# Allegro board 8880F5-0823_9.brd (continued)
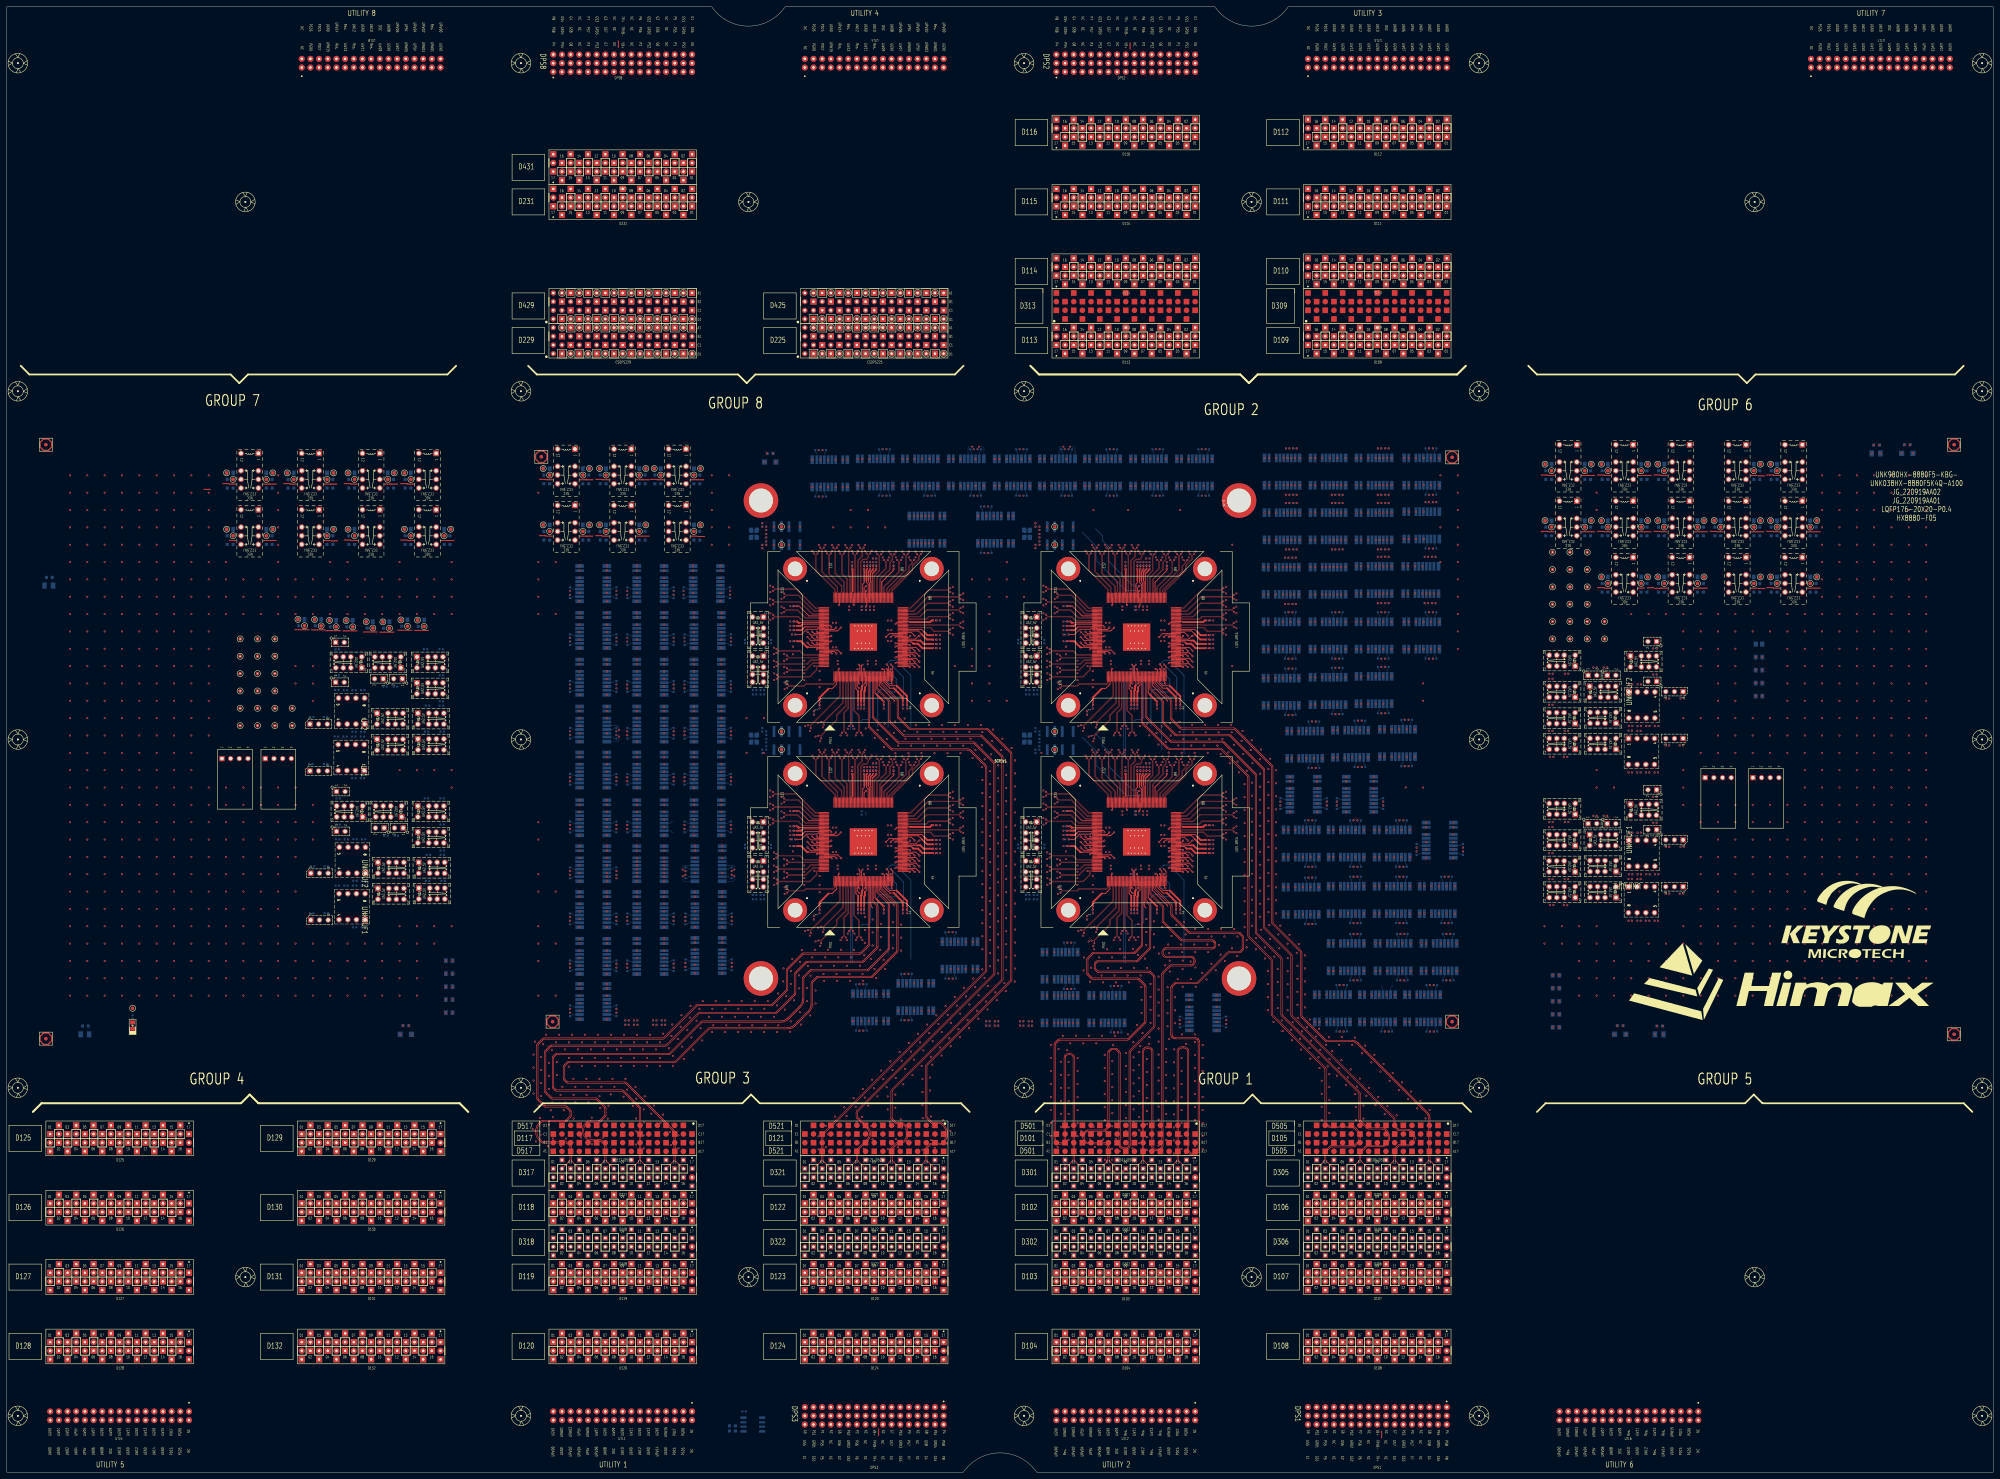
[diagram p0: board, top side]
## Routing (per net, layer and track width the routed paths; a pad name or vN(x,y) marks a point on that pad's centre or on a via; arc(x,y) is an arc through that point) (continued)
D12805: length 782
  TOP w0.086: v1(261.86,267.21) 261.41,266.77 261.41,263.74 256.95,259.28 256.95,257.86 257.03,257.78 SITE1.95
  L05_SIGNAL w0.071: D128.05 23.71,34.71 24.68,34.71 25.41,33.99 25.41,32.33 23.01,29.93 8.07,29.93 5.98,32.03 5.98,104.95 13.85,112.82 13.85,279.31 58.45,323.91 318.55,323.91 336.91,305.55 336.91,300.13 v2(336.44,299.66)
  L32_SIGNAL w0.071: v2(336.44,299.66) 336.91,300.13 336.91,301.49 337.73,302.3 339.51,302.3 340.57,301.24 340.57,286.3 335.09,280.82 322.51,280.82 312,291.33 299.75,291.33 298.72,290.3 298.72,282.26 293.79,277.34 282.52,277.34 274.76,285.09 264.91,285.09 261.38,281.57 261.38,267.69 v1(261.86,267.21)
D12806: length 833.7
  TOP w0.086: v1(241.28,269.15) 240.83,268.7 240.83,263.34 244.55,259.62 244.55,257.86 244.63,257.78 SITE1.126
  L07_SIGNAL w0.071: v2(256.43,299.66) 256.9,299.18 256.9,298 252.48,293.58 131.38,293.58 127.48,289.68 68.21,289.68 40,261.47 40,129.09 62.09,106.99 62.09,56.11 51.35,45.37 30.67,45.37 28.34,43.04 28.34,40.61 27.1,39.38 26.68,39.38 D128.06
  L30_SIGNAL w0.071: v2(256.43,299.66) 256.9,300.12 256.9,300.88 243.25,314.53 154.52,314.53 152.22,312.24 117.51,312.24 111.21,305.93 111.21,274.68 116.19,269.7 221.33,269.7 225.44,273.81 239.34,273.81 240.81,272.33 240.81,269.62 v1(241.28,269.15)
D12807: length 782
  TOP w0.086: v1(260.71,267.21) 261.17,266.75 261.17,263.84 256.71,259.38 256.71,257.86 256.63,257.78 SITE1.96
  L05_SIGNAL w0.071: v2(337.59,299.66) 337.11,300.13 337.11,305.63 318.63,324.11 58.36,324.11 13.65,279.4 13.65,112.9 5.78,105.03 5.78,31.95 7.99,29.74 23.09,29.74 25.6,32.25 25.6,33.22 D128.07
  L32_SIGNAL w0.071: v2(337.59,299.66) 337.11,300.13 337.11,301.41 337.81,302.11 339.43,302.11 340.37,301.16 340.37,286.39 335.01,281.02 322.6,281.02 312.09,291.53 299.67,291.53 298.52,290.38 298.52,282.35 293.71,277.54 282.6,277.54 274.84,285.29 264.83,285.29 261.19,281.65 261.19,267.69 v1(260.71,267.21)
D12808: length 833.7
  TOP w0.086: SITE1.127 244.23,257.78 244.31,257.86 244.31,259.52 240.59,263.24 240.59,268.7 v1(240.14,269.15)
  L07_SIGNAL w0.071: D128.08 28.53,40.05 28.53,42.95 30.75,45.17 51.43,45.17 62.29,56.03 62.29,107.08 40.2,129.17 40.2,261.39 68.29,289.48 127.56,289.48 131.46,293.38 252.57,293.38 257.1,297.92 257.1,299.18 v2(257.58,299.66)
  L30_SIGNAL w0.071: v1(240.14,269.15) 240.61,269.62 240.61,272.25 239.25,273.61 225.53,273.61 221.42,269.5 116.11,269.5 111.01,274.6 111.01,306.01 117.43,312.44 152.14,312.44 154.44,314.73 243.33,314.73 257.1,300.96 257.1,300.13 v2(257.58,299.66)
D12809: length 818.6
  TOP w0.086: SITE1.91 258.63,257.78 258.55,257.86 258.55,258.23 264.35,264.04 264.35,265.37 265.28,266.31 265.28,266.78 v1(265.72,267.21)
  L05_SIGNAL w0.071: D128.09 33.98,34.6 35.23,34.6 35.4,34.43 35.4,32.05 31.98,28.62 6.98,28.62 4.55,31.06 4.55,105.77 11.95,113.18 11.95,281.66 55.33,325.04 327.75,325.04 350.38,302.41 350.38,300.13 v2(349.9,299.66)
  L32_SIGNAL w0.071: v1(265.72,267.21) 265.24,267.69 265.24,269.73 262.92,272.05 262.92,280.28 265.1,282.46 274.14,282.46 281.68,274.92 294.24,274.92 303.08,283.76 303.08,286.12 305.08,288.12 310.52,288.12 319.8,278.85 344.95,278.85 354.54,288.45 354.54,300.67 353.29,301.92 350.95,301.92 350.38,301.35 350.38,300.13 v2(349.9,299.66)
D12810: length 652.2
  TOP w0.086: SITE1.133 237.68,253.23 237.6,253.15 236.94,253.15 231.22,258.87 224.75,258.87 v1(224.31,259.31)
  L05_SIGNAL w0.071: v2(283.1,286.07) 283.57,285.6 283.57,284.57 282.4,283.4 277.1,283.4 269.47,291.03 132.44,291.03 126.47,285.06 68.52,285.06 63.25,279.79 63.24,279.79 42.5,259.06 42.5,129.9 63.77,108.64 63.77,55.77 53.39,45.39 40.4,45.39 37.72,42.71 37.72,40.26 D128.10
  L32_SIGNAL w0.071: v1(224.31,259.31) 224.78,258.84 225.35,258.84 226.06,259.55 226.06,278.35 233.56,285.84 233.56,299.18 242.01,307.63 281.65,307.63 287.09,302.2 287.09,286.11 285.47,284.5 284.21,284.5 283.57,285.13 283.57,285.6 v2(283.1,286.07)
D12811: length 818.6
  TOP w0.086: v1(264.57,267.21) 265.04,266.74 265.04,266.4 264.11,265.47 264.11,264.13 258.31,258.33 258.31,257.86 258.23,257.78 SITE1.92
  L05_SIGNAL w0.071: v2(351.05,299.66) 350.58,300.13 350.58,302.5 327.84,325.23 55.25,325.23 11.76,281.74 11.76,113.26 4.35,105.85 4.35,30.97 6.9,28.42 32.06,28.42 35.6,31.96 35.6,33.06 D128.11
  L32_SIGNAL w0.071: v2(351.05,299.66) 350.57,300.13 350.57,301.27 351.03,301.73 353.2,301.73 354.34,300.59 354.34,288.53 344.87,279.05 319.88,279.05 310.61,288.32 304.99,288.32 302.88,286.21 302.88,283.84 294.16,275.12 281.76,275.12 274.22,282.66 265.02,282.66 262.72,280.36 262.72,271.97 265.04,269.65 265.04,267.69 v1(264.57,267.21)
D12812: length 652.3
  TOP w0.086: v1(224.31,258.17) 224.77,258.63 231.12,258.63 236.84,252.91 237.6,252.91 237.68,252.83 SITE1.134
  L05_SIGNAL w0.071: v2(284.25,286.07) 283.77,285.6 283.77,284.49 282.49,283.2 277.02,283.2 269.39,290.83 132.52,290.83 126.55,284.86 68.6,284.86 63.33,279.6 63.32,279.6 42.7,258.98 42.7,129.98 63.96,108.72 63.96,55.69 53.47,45.19 40.49,45.19 37.92,42.62 37.92,39.53 38.26,39.19 39.55,39.19 D128.12
  L32_SIGNAL w0.071: v2(284.25,286.07) 283.77,285.6 283.77,285.21 284.29,284.7 285.39,284.7 286.89,286.19 286.89,302.12 281.57,307.44 242.1,307.44 233.75,299.09 233.75,285.76 226.26,278.27 226.26,259.47 225.43,258.64 224.78,258.64 v1(224.31,258.17)
D12813: length 833.7
  TOP w0.086: v1(263.79,268.93) 263.34,268.49 263.34,264.27 257.75,258.68 257.75,257.86 257.83,257.78 SITE1.93
  L05_SIGNAL w0.071: D128.13 44.43,34.31 46.25,34.31 46.72,33.84 46.72,33.07 41.07,27.42 6.6,27.42 3.03,30.99 3.03,106.6 10.03,113.6 10.03,282.11 53.93,326.01 329.75,326.01 351.88,303.88 351.88,289.4 350.38,287.9 350.38,286.54 v2(349.9,286.07)
  L32_SIGNAL w0.071: v2(349.9,286.07) 350.38,286.54 350.38,287.5 349.82,288.05 344.9,288.05 336.83,279.98 321.4,279.98 318.6,282.79 317.38,282.79 309.96,290.2 301.99,290.2 300.96,289.17 300.96,283.33 293.77,276.14 281.78,276.14 274.06,283.86 265.02,283.86 262.18,281.02 262.18,271.55 263.31,270.42 263.31,269.4 v1(263.79,268.93)
D12814: length 833.7
  TOP w0.086: v1(245.14,269.15) 244.69,268.7 244.69,263.17 246.15,261.71 246.15,257.86 246.23,257.78 SITE1.122
  L05_SIGNAL w0.071: D128.14 47.65,40.03 47.65,43.05 48.57,43.97 56.29,43.97 65.21,52.89 65.21,111.24 45.69,130.76 45.69,229.64 85.01,268.96 223.01,268.96 227.85,273.8 227.85,280.06 235.31,287.53 237.92,287.53 238.4,287.05 238.4,286.29 v2(238.87,285.81)
  L30_SIGNAL w0.071: v2(238.87,285.81) 238.4,285.34 238.4,282.82 237.1,281.53 235.24,281.53 233.95,282.82 233.95,302.76 226.13,310.57 165.93,310.57 156.48,301.12 121.28,301.12 120.5,301.91 120.5,303.65 121.78,304.92 139.05,304.92 139.58,305.46 139.58,307.26 139.15,307.7 117.76,307.7 115.14,305.07 115.14,281.23 116.37,280.01 129.7,280.01 135.35,274.36 199.83,274.36 200.78,273.41 204.11,273.41 207.27,276.58 207.27,284.4 215.6,292.74 224.96,292.74 229.78,287.92 229.78,278.51 230.48,277.82 239.95,277.82 244.67,273.1 244.67,269.62 v1(245.14,269.15)
D12815: length 833.7
  TOP w0.086: SITE1.94 257.43,257.78 257.51,257.86 257.51,258.78 263.1,264.37 263.1,268.47 v1(262.64,268.93)
  L05_SIGNAL w0.071: D128.15 46.91,34.21 46.91,32.99 41.15,27.22 6.52,27.22 2.84,30.91 2.84,106.68 9.84,113.68 9.84,282.2 53.84,326.2 329.84,326.2 352.07,303.96 352.07,289.32 350.58,287.82 350.58,286.54 v2(351.05,286.07)
  L32_SIGNAL w0.071: v2(351.05,286.07) 350.57,286.54 350.57,287.58 349.9,288.25 344.81,288.25 336.74,280.18 321.49,280.18 318.68,282.98 317.46,282.98 310.05,290.4 301.91,290.4 300.76,289.25 300.76,283.41 293.69,276.34 281.86,276.34 274.14,284.06 264.94,284.06 261.99,281.1 261.99,271.46 263.12,270.33 263.12,269.4 v1(262.64,268.93)
D12816: length 833.7
  TOP w0.086: v1(244,269.15) 244.46,268.69 244.46,263.07 245.91,261.61 245.91,257.86 245.83,257.78 SITE1.123
  L05_SIGNAL w0.071: v2(237.72,285.81) 238.2,286.29 238.2,286.97 237.84,287.33 235.39,287.33 228.05,279.98 228.05,273.71 223.09,268.76 85.09,268.76 45.89,229.56 45.89,130.84 65.41,111.32 65.41,52.81 56.37,43.77 48.65,43.77 47.85,42.97 47.85,40.66 48.52,39.99 48.91,39.99 D128.16
  L30_SIGNAL w0.071: v1(244,269.15) 244.47,269.62 244.47,273.02 239.87,277.62 230.39,277.62 229.59,278.42 229.59,287.83 224.88,292.54 215.69,292.54 207.47,284.32 207.47,276.49 204.19,273.21 200.7,273.21 199.75,274.16 135.27,274.16 129.61,279.81 116.28,279.81 114.94,281.15 114.94,305.16 117.68,307.89 139.23,307.89 139.78,307.34 139.78,305.38 139.13,304.73 121.86,304.73 120.7,303.57 120.7,301.99 121.37,301.32 156.4,301.32 165.85,310.77 226.22,310.77 234.15,302.84 234.15,282.9 235.33,281.72 237.02,281.72 238.2,282.91 238.2,285.34 v2(237.72,285.81)
D12901: length 413.5
  TOP w0.086: v1(225.46,173.61) 225.91,173.16 235.09,173.16 237.01,175.08 237.01,175.98 237.38,176.35 237.6,176.35 237.68,176.43 SITE3.175
  L03_SIGNAL w0.071: D129.01 87.74,95.14 89.35,95.14 89.62,94.86 89.62,92.63 87.22,90.23 84.49,90.23 81.33,93.39 81.33,169.51 92.44,180.62 197.15,180.62 200.7,177.07 200.7,176.28 200.08,175.66 199.16,175.66 v1(198.69,176.13)
  L28_SIGNAL w0.071: v1(198.69,176.13) 199.16,175.66 200.38,175.66 201.76,174.27 201.76,173.32 200.18,171.74 173.69,171.74 171.54,173.89 132.04,173.89 131.59,173.43 131.59,171.94 132.19,171.34 211.21,171.34 213.14,169.41 221.85,169.41 222.72,170.28 222.72,172.09 223.77,173.14 224.98,173.14 v1(225.46,173.61)
D12902: length 413.5
  TOP w0.086: SITE3.170 237.68,178.43 237.61,178.5 228.77,178.5 v1(228.38,178.12)
  L03_SIGNAL w0.071: v1(198.69,161.52) 199.16,162 199.44,162 199.91,162.47 199.91,168.58 196.26,172.24 162.48,172.24 161.65,173.07 95.9,173.07 87.16,164.33 87.16,111.42 90.85,107.73 90.85,101.01 D129.02
  L28_SIGNAL w0.071: v1(198.69,161.52) 199.16,162 200.16,162 203.24,158.92 216.51,158.92 225.71,168.12 227.88,168.12 229.82,170.06 229.82,171.64 229.38,172.08 227.61,172.08 226.3,173.39 226.3,174.33 225.62,175.01 224.39,175.01 222.18,177.23 217.51,177.23 213.98,173.7 207.44,173.7 203.45,177.68 196.52,177.68 193.04,181.16 167.13,181.16 163.65,184.64 163.65,195.45 169.63,201.43 213.01,201.43 219.9,194.54 219.9,182.14 223.46,178.59 227.91,178.59 v1(228.38,178.12)
D12903: length 413.5
  TOP w0.086: v1(225.46,172.46) 225.91,172.92 235.19,172.92 237.25,174.98 237.25,175.88 237.48,176.11 237.6,176.11 237.68,176.03 SITE3.176
  L03_SIGNAL w0.071: v1(198.69,174.99) 199.16,175.46 200.16,175.46 200.9,176.2 200.9,177.15 197.23,180.82 92.36,180.82 81.13,169.59 81.13,93.3 84.4,90.03 87.3,90.03 89.82,92.55 89.82,94.9 D129.03
  L28_SIGNAL w0.071: v1(198.69,174.99) 199.16,175.46 200.29,175.46 201.56,174.19 201.56,173.4 200.09,171.94 173.77,171.94 171.62,174.09 131.96,174.09 131.39,173.52 131.39,171.86 132.11,171.14 211.12,171.14 213.05,169.21 221.93,169.21 222.92,170.2 222.92,172.01 223.85,172.94 224.98,172.94 v1(225.46,172.46)
D12904: length 413.5
  TOP w0.086: v1(228.38,179.26) 228.9,178.74 237.59,178.74 237.68,178.83 SITE3.169
  L03_SIGNAL w0.071: D129.04 92.31,100.73 91.4,100.73 91.05,101.09 91.05,107.81 87.36,111.5 87.36,164.24 95.99,172.87 161.57,172.87 162.4,172.04 196.18,172.04 199.71,168.5 199.71,162.55 199.35,162.2 199.16,162.2 v1(198.69,162.67)
  L28_SIGNAL w0.071: v1(198.69,162.67) 199.16,162.2 200.24,162.2 203.32,159.12 216.43,159.12 225.63,168.32 227.8,168.32 229.62,170.14 229.62,171.56 229.3,171.88 227.52,171.88 226.1,173.3 226.1,174.25 225.54,174.82 224.31,174.82 222.1,177.03 217.59,177.03 214.06,173.5 207.35,173.5 203.37,177.49 196.43,177.49 192.96,180.96 167.04,180.96 163.45,184.55 163.45,195.53 169.55,201.63 213.09,201.63 220.1,194.62 220.1,182.23 223.54,178.79 227.49,178.79 227.91,178.79 v1(228.38,179.26)
D12905: length 413.5
  TOP w0.086: v1(225.39,176.18) 225.85,176.63 234.38,176.63 235.46,177.71 237.6,177.71 237.68,177.63 SITE3.172
  L03_SIGNAL w0.071: D129.05 97.97,95.07 99.02,95.07 99.39,94.69 99.39,91.42 95.17,87.19 81.25,87.19 76.66,91.78 76.66,170.25 91.02,184.61 106.98,184.61 108.95,182.64 203.43,182.64 210.61,175.46 211.81,175.46 v1(212.28,174.99)
  L28_SIGNAL w0.071: v1(212.28,174.99) 212.75,175.46 214.26,175.46 215.24,176.44 215.24,179.8 210.61,184.42 171.13,184.42 169.06,186.49 169.06,198.04 169.98,198.97 211.11,198.97 215.39,194.69 215.39,182.58 216.8,181.17 218.66,181.17 219.7,180.12 219.7,178.63 220.56,177.77 222.52,177.77 223.64,176.65 224.92,176.65 v1(225.39,176.18)
D12906: length 413.5
  TOP w0.086: SITE3.174 237.68,176.83 237.6,176.91 236.1,176.91 234.04,174.85 228.85,174.85 v1(228.4,174.39)
  L03_SIGNAL w0.071: D129.06 100.99,100.99 100.99,153.39 112.74,165.14 182.31,165.14 183.11,164.34 183.11,162.39 182.72,162 182.15,162 v1(181.67,161.52)
  L28_SIGNAL w0.071: v1(181.67,161.52) 182.15,162 183.29,162 185.6,164.3 185.6,165.07 185,165.66 118.89,165.66 118.01,166.54 118.01,205.13 119.16,206.28 222.41,206.28 225.8,202.89 225.8,191.4 228,189.2 228,181.65 229.36,180.29 229.36,177.55 228.92,177.12 227.34,177.12 226.81,176.59 226.81,175.35 227.29,174.87 227.93,174.87 v1(228.4,174.39)
D12907: length 413.5
  TOP w0.086: SITE3.171 237.68,178.03 237.6,177.95 235.37,177.95 234.29,176.87 225.85,176.87 v1(225.39,177.32)
  L03_SIGNAL w0.071: v1(212.28,176.13) 211.81,175.66 210.69,175.66 203.51,182.84 109.04,182.84 107.06,184.81 90.94,184.81 76.46,170.34 76.46,91.7 81.17,86.99 95.25,86.99 99.59,91.33 99.59,94.51 D129.07
  L28_SIGNAL w0.071: v1(212.28,176.13) 212.75,175.66 214.17,175.66 215.04,176.52 215.04,179.71 210.53,184.23 171.04,184.23 168.86,186.41 168.86,198.13 169.9,199.17 211.19,199.17 215.58,194.78 215.58,182.66 216.88,181.36 218.74,181.36 219.9,180.2 219.9,178.71 220.65,177.97 222.6,177.97 223.72,176.85 224.92,176.85 v1(225.39,177.32)
D12908: length 413.5
  TOP w0.086: v1(228.4,175.54) 228.85,175.08 233.94,175.08 236,177.15 237.6,177.15 237.68,177.23 SITE3.173
  L03_SIGNAL w0.071: D129.08 102.63,100.57 101.69,100.57 101.19,101.06 101.19,153.31 112.82,164.94 182.23,164.94 182.91,164.26 182.91,162.47 182.64,162.2 182.15,162.2 v1(181.67,162.67)
  L28_SIGNAL w0.071: v1(228.4,175.54) 227.93,175.06 227.38,175.06 227.01,175.44 227.01,176.5 227.42,176.92 229,176.92 229.55,177.47 229.55,180.37 228.19,181.73 228.19,189.29 226,191.48 226,202.97 222.5,206.48 119.08,206.48 117.81,205.21 117.81,166.45 118.8,165.46 184.92,165.46 185.4,164.98 185.4,164.38 183.21,162.2 182.15,162.2 v1(181.67,162.67)
D12909: length 457
  TOP w0.086: SITE3.12 246.63,171.48 246.55,171.4 246.55,163.72 245.23,162.4 245.23,157.05 v1(245.68,156.6)
  L03_SIGNAL w0.071: D129.09 108.77,94.43 108.77,91.4 110.78,89.39 128.28,89.39 132.5,93.61 132.5,138.32 145.35,151.16 177.31,151.16 180.2,148.28 181.2,148.28 v1(181.67,147.81)
  L28_SIGNAL w0.071: v1(245.68,156.6) 245.21,156.12 245.21,155.03 244.78,154.6 243.79,154.6 243.16,155.24 243.16,158.77 244.28,159.88 262.53,159.88 265,162.36 265,202.47 264.3,203.17 240.75,203.17 239.1,201.52 239.1,163.6 235.47,159.98 232.06,159.98 229.77,157.69 153.2,157.69 152.72,157.21 152.72,156.16 153.24,155.64 199.73,155.64 200.04,155.95 203.96,155.95 204.88,155.03 204.88,152.31 204.1,151.52 186.79,151.52 183.55,148.28 182.15,148.28 v1(181.67,147.81)
D12910: length 413.5
  TOP w0.086: v1(228.51,169.79) 228.97,170.25 233.52,170.25 234.03,170.76 242.13,170.76 242.55,171.18 242.55,171.4 242.63,171.48 SITE3.2
  L03_SIGNAL w0.071: D129.10 111.59,101.43 111.59,106.32 113.23,107.96 113.23,157.14 112.86,157.51 111.56,157.51 111.06,157.01 111.06,108.91 110.39,108.25 108.83,108.25 107.9,109.18 107.9,153.05 107.39,153.56 106.62,153.56 105.93,152.88 105.93,107.81 105.34,107.22 104.22,107.22 103.53,107.92 103.53,152.49 109.9,158.86 196.59,158.86 197.58,159.85 197.58,161.18 196.76,162 195.73,162 v1(195.26,161.52)
  L28_SIGNAL w0.071: v1(228.51,169.79) 228.04,170.26 225.32,170.26 214.99,159.94 210.2,159.94 204.61,165.53 198.72,165.53 197.16,163.97 197.16,162.6 196.56,162 195.73,162 v1(195.26,161.52)
D12911: length 457
  TOP w0.086: SITE3.11 246.23,171.48 246.31,171.4 246.31,163.82 244.99,162.5 244.99,157.05 v1(244.54,156.6)
  L03_SIGNAL w0.071: v1(181.67,148.95) 181.2,148.48 180.28,148.48 177.4,151.36 145.27,151.36 132.31,138.4 132.31,93.69 128.2,89.59 110.86,89.59 108.96,91.49 108.96,94.36 109.31,94.71 109.95,94.71 D129.11
  L28_SIGNAL w0.071: v1(181.67,148.95) 182.15,148.48 183.47,148.48 186.71,151.72 204.02,151.72 204.68,152.39 204.68,154.95 203.88,155.76 200.13,155.76 199.81,155.44 153.16,155.44 152.52,156.08 152.52,157.29 153.12,157.89 229.69,157.89 231.97,160.17 235.39,160.17 238.9,163.68 238.9,201.6 240.67,203.37 264.38,203.37 265.2,202.55 265.2,162.27 262.61,159.68 244.36,159.68 243.36,158.68 243.36,155.32 243.88,154.8 244.7,154.8 245.01,155.11 245.01,156.12 v1(244.54,156.6)
D12912: length 413.5
  TOP w0.086: SITE3.1 242.23,171.48 242.31,171.4 242.31,171.28 242.03,171 233.93,171 233.42,170.49 228.95,170.49 v1(228.51,170.93)
  L03_SIGNAL w0.071: D129.12 111.78,101.58 111.78,106.23 113.43,107.88 113.43,157.22 112.94,157.71 111.48,157.71 110.86,157.09 110.86,109 110.31,108.45 108.91,108.45 108.1,109.26 108.1,153.13 107.47,153.76 106.53,153.76 105.73,152.96 105.73,107.89 105.26,107.42 104.31,107.42 103.72,108 103.72,152.41 109.98,158.66 196.67,158.66 197.78,159.77 197.78,161.26 196.84,162.2 195.73,162.2 v1(195.26,162.67)
  L28_SIGNAL w0.071: v1(228.51,170.93) 228.04,170.46 225.24,170.46 214.91,160.13 210.28,160.13 204.69,165.72 198.63,165.72 196.96,164.05 196.96,162.69 196.47,162.2 195.73,162.2 v1(195.26,162.67)
D12913: length 457
  TOP w0.086: SITE3.8 245.03,171.48 244.95,171.4 244.95,165.37 239.21,159.63 v1(239.21,158.99)
  L03_SIGNAL w0.071: v1(198.69,148.06) 198.22,148.53 197.78,148.53 192.7,153.62 140.72,153.62 129.69,142.58 129.69,94.01 126.98,91.3 119.86,91.3 117.99,93.17 117.99,95.37 D129.13
  L28_SIGNAL w0.071: v1(239.21,158.99) 238.54,158.99 238.11,158.56 237.32,158.56 236.69,159.2 236.69,160.57 240.22,164.1 240.22,200.99 241.6,202.37 262.54,202.37 263,201.92 263,201.01 262.61,200.62 241.91,200.62 241.33,200.05 241.33,199.25 241.89,198.69 262.87,198.69 263.34,198.22 263.34,197.07 262.66,196.39 242.79,196.39 241.83,195.44 241.83,194.31 242.39,193.75 262.59,193.75 263.25,193.09 263.25,191.96 262.58,191.28 243.04,191.28 242.47,190.71 242.47,189.99 242.76,189.7 255.88,189.7 256.69,188.89 256.69,187.82 255.87,187 244.91,187 244.21,186.3 244.21,185.21 244.75,184.68 246.69,184.68 247.77,183.6 247.77,181.31 246.95,180.49 242.77,180.49 242.39,180.1 242.39,164.5 240.12,162.24 240.12,158.29 239.24,157.4 237.41,157.4 235.43,159.37 232.97,159.37 230.23,156.63 214.52,156.63 205.59,147.7 201.36,147.7 200.53,148.53 199.16,148.53 v1(198.69,148.06)
D12914: length 413.5
  TOP w0.086: SITE3.168 237.68,179.23 237.6,179.31 233.34,179.31 232.15,180.5 225.84,180.5 v1(225.36,180.02)
  L03_SIGNAL w0.071: v1(212.28,161.52) 212.75,162 213.53,162 213.97,161.56 213.97,160.77 210.59,157.38 134.32,157.38 122.02,145.08 122.02,101.43 121.22,100.63 120.95,100.63 D129.14
  L28_SIGNAL w0.071: v1(212.28,161.52) 212.75,162 213.52,162 214.18,162.66 214.18,165.74 212.18,167.73 130.66,167.73 128.92,169.47 123.38,169.47 122.37,170.49 122.37,195.8 130.85,204.28 215.91,204.28 222.75,197.44 222.75,181.89 224.15,180.49 224.89,180.49 v1(225.36,180.02)
D12915: length 457
  TOP w0.086: SITE3.7 244.63,171.48 244.71,171.4 244.71,165.47 239.04,159.8 v1(238.4,159.8)
  L03_SIGNAL w0.071: D129.15 120.83,95.43 119.25,95.43 118.19,94.37 118.19,93.25 119.94,91.5 126.9,91.5 129.49,94.09 129.49,142.66 140.64,153.81 192.78,153.81 197.86,148.73 198.22,148.73 v1(198.69,149.21)
  L28_SIGNAL w0.071: v1(198.69,149.21) 199.16,148.73 200.61,148.73 201.45,147.9 205.51,147.9 214.44,156.83 230.15,156.83 232.89,159.57 235.51,159.57 237.49,157.6 239.15,157.6 239.93,158.37 239.93,162.32 242.19,164.59 242.19,180.19 242.69,180.69 246.87,180.69 247.57,181.39 247.57,183.51 246.61,184.48 244.67,184.48 244.02,185.13 244.02,186.38 244.83,187.2 255.79,187.2 256.49,187.9 256.49,188.81 255.8,189.5 242.67,189.5 242.27,189.9 242.27,190.8 242.95,191.48 262.49,191.48 263.06,192.04 263.06,193.01 262.51,193.56 242.3,193.56 241.64,194.22 241.64,195.52 242.71,196.59 262.58,196.59 263.14,197.15 263.14,198.14 262.79,198.49 241.81,198.49 241.14,199.16 241.14,200.13 241.83,200.82 262.53,200.82 262.8,201.09 262.8,201.84 262.46,202.17 241.68,202.17 240.42,200.91 240.42,164.02 236.89,160.49 236.89,159.28 237.41,158.76 238.03,158.76 238.4,159.13 v1(238.4,159.8)
D12916: length 413.5
  TOP w0.086: SITE3.167 237.68,179.63 237.6,179.55 233.44,179.55 232.25,180.74 225.78,180.74 v1(225.36,181.16)
  L03_SIGNAL w0.071: D129.16 122.22,101.3 122.22,145 134.4,157.19 210.67,157.19 214.17,160.68 214.17,161.64 213.61,162.2 212.75,162.2 v1(212.28,162.67)
  L28_SIGNAL w0.071: v1(225.36,181.16) 224.89,180.69 224.23,180.69 222.95,181.97 222.95,197.53 215.99,204.48 130.77,204.48 122.17,195.88 122.17,170.41 123.3,169.27 128.84,169.27 130.58,167.54 212.1,167.54 213.98,165.65 213.98,162.74 213.44,162.2 212.75,162.2 v1(212.28,162.67)
D13009: length 457
  TOP w0.086: v1(250.13,156.61) 249.68,157.05 249.68,161.65 248.15,163.18 248.15,171.4 248.23,171.48 SITE3.16
  L03_SIGNAL w0.071: v1(164.91,134.6) 164.44,135.07 148.78,135.07 143.26,129.55 143.26,77.87 132.85,67.46 110.87,67.46 108.85,69.49 108.85,74.03 D130.09
  L28_SIGNAL w0.071: v1(164.91,134.6) 165.38,135.07 166.64,135.07 169.97,131.74 169.97,115.86 174.58,111.25 252.61,111.25 253.42,112.06 253.42,113.15 252.56,114.01 175.87,114.01 174.99,114.89 174.99,116.65 175.62,117.28 251.66,117.28 253.06,118.69 253.06,123.04 251.81,124.29 248.29,124.29 243.83,128.76 243.83,138.3 249.66,144.13 249.66,146.84 250.96,148.14 250.96,150.21 249.66,151.5 249.66,156.13 v1(250.13,156.61)
D13010: length 457
  TOP w0.086: v1(238.42,154.92) 238.42,155.56 243.1,160.24 243.1,161.66 245.75,164.32 245.75,171.4 245.83,171.48 SITE3.10
  L03_SIGNAL w0.071: v1(195.26,147.81) 195.73,148.28 196.05,148.28 196.72,147.61 196.72,146.18 195.01,144.47 144.95,144.47 135.56,135.08 135.56,93.67 130.09,88.2 113.54,88.2 111.61,86.27 111.61,81.13 D130.10
  L28_SIGNAL w0.071: v1(195.26,147.81) 195.73,148.28 196.56,148.28 196.9,147.94 196.9,145.87 197.42,145.35 209.55,145.35 210.49,144.42 210.49,143.17 209.75,142.43 142.02,142.43 140.83,141.24 140.83,139.08 141.81,138.09 202.4,138.09 205.8,134.69 230.56,134.69 231.94,136.08 237.07,136.08 239.52,138.53 239.52,139.64 238.61,140.55 228.99,140.55 228.04,141.5 228.04,142.84 228.86,143.66 238.08,143.66 238.7,144.28 238.7,145.41 237.83,146.28 228.45,146.28 228.2,146.54 228.2,147.13 228.61,147.54 244.77,147.54 245.32,148.09 245.32,148.63 244.66,149.29 233.75,149.29 233.32,148.85 228.21,148.85 227.49,149.57 227.49,150.9 227.97,151.37 239.5,151.37 239.87,151.74 239.87,152.35 239.38,152.84 237.96,152.84 237.09,153.71 237.09,154.26 237.75,154.92 v1(238.42,154.92)
D13011: length 457
  TOP w0.086: SITE3.15 247.83,171.48 247.91,171.4 247.91,163.08 249.45,161.55 249.45,157.06 v1(248.99,156.61)
  L03_SIGNAL w0.071: v1(164.91,135.74) 164.44,135.27 148.7,135.27 143.06,129.63 143.06,77.96 132.77,67.66 110.95,67.66 109.05,69.57 109.05,74.25 109.79,75 110.56,75 D130.11
  L28_SIGNAL w0.071: v1(164.91,135.74) 165.38,135.27 166.73,135.27 170.17,131.82 170.17,115.94 174.66,111.45 252.53,111.45 253.22,112.14 253.22,113.07 252.47,113.81 175.79,113.81 174.79,114.8 174.79,116.73 175.54,117.48 251.57,117.48 252.87,118.77 252.87,122.96 251.73,124.1 248.21,124.1 243.63,128.68 243.63,138.38 249.46,144.22 249.46,146.92 250.76,148.22 250.76,150.12 249.46,151.42 249.46,156.13 v1(248.99,156.61)
D13012: length 457
  TOP w0.086: SITE3.9 245.43,171.48 245.51,171.4 245.51,164.41 242.86,161.76 242.86,160.34 238.25,155.73 v1(237.61,155.73)
  L03_SIGNAL w0.071: D130.12 111.8,81.24 111.8,86.18 113.62,88 130.17,88 135.76,93.59 135.76,134.99 145.04,144.27 195.1,144.27 196.92,146.1 196.92,147.69 196.13,148.48 195.73,148.48 v1(195.26,148.95)
  L28_SIGNAL w0.071: v1(237.61,155.73) 237.61,155.06 236.89,154.34 236.89,153.63 237.88,152.64 239.3,152.64 239.67,152.27 239.67,151.82 239.42,151.57 227.88,151.57 227.3,150.98 227.3,149.49 228.13,148.66 233.4,148.66 233.83,149.09 244.58,149.09 245.12,148.55 245.12,148.18 244.68,147.74 228.53,147.74 228,147.21 228,146.45 228.37,146.08 237.74,146.08 238.5,145.33 238.5,144.37 238,143.86 228.78,143.86 227.84,142.93 227.84,141.42 228.91,140.35 238.53,140.35 239.32,139.56 239.32,138.61 236.99,136.28 231.86,136.28 230.48,134.89 205.88,134.89 202.48,138.29 141.89,138.29 141.03,139.16 141.03,141.15 142.1,142.23 209.83,142.23 210.68,143.08 210.68,144.5 209.64,145.55 197.5,145.55 197.1,145.95 197.1,148.02 196.64,148.48 195.73,148.48 v1(195.26,148.95)
D13013: length 457
  TOP w0.086: SITE3.14 247.43,171.48 247.35,171.4 247.35,159 v1(247.8,158.55)
  L03_SIGNAL w0.071: D130.13 118.93,74.11 118.93,71.28 120.69,69.52 128.8,69.52 140.53,81.26 140.53,130.59 150.58,140.63 171.01,140.63 176.57,135.07 178.03,135.07 v1(178.5,134.6)
  L28_SIGNAL w0.071: v1(178.5,134.6) 178.97,135.07 198.26,135.07 199.22,134.12 199.22,130.93 198.21,129.92 172.89,129.92 171.98,129.01 171.98,127.89 173.18,126.69 194.18,126.69 195.17,125.7 238.68,125.7 239.61,124.77 239.61,123.78 238.94,123.11 173.76,123.11 172.98,122.33 172.98,121.1 173.8,120.28 248.69,120.28 249.36,120.95 249.36,122.51 248.86,123.01 245.56,123.01 241.38,127.18 241.38,139.2 248.24,146.06 248.24,151.68 247.33,152.59 247.33,158.07 v1(247.8,158.55)